# Altium PCB V1_PCB-main.PcbDoc (part 5 of 7)
Units mm, origin at the board's own origin, x right, y up, seen from the top; angles counter-clockwise.
Board outline 178 x 75 mm, 4 copper layers (Top Layer, Inner layer 1, Inner layer 2, Bottom Layer), stack 1.596 mm thick; 451 components, 230 nets, 1388 pads, 724 vias.
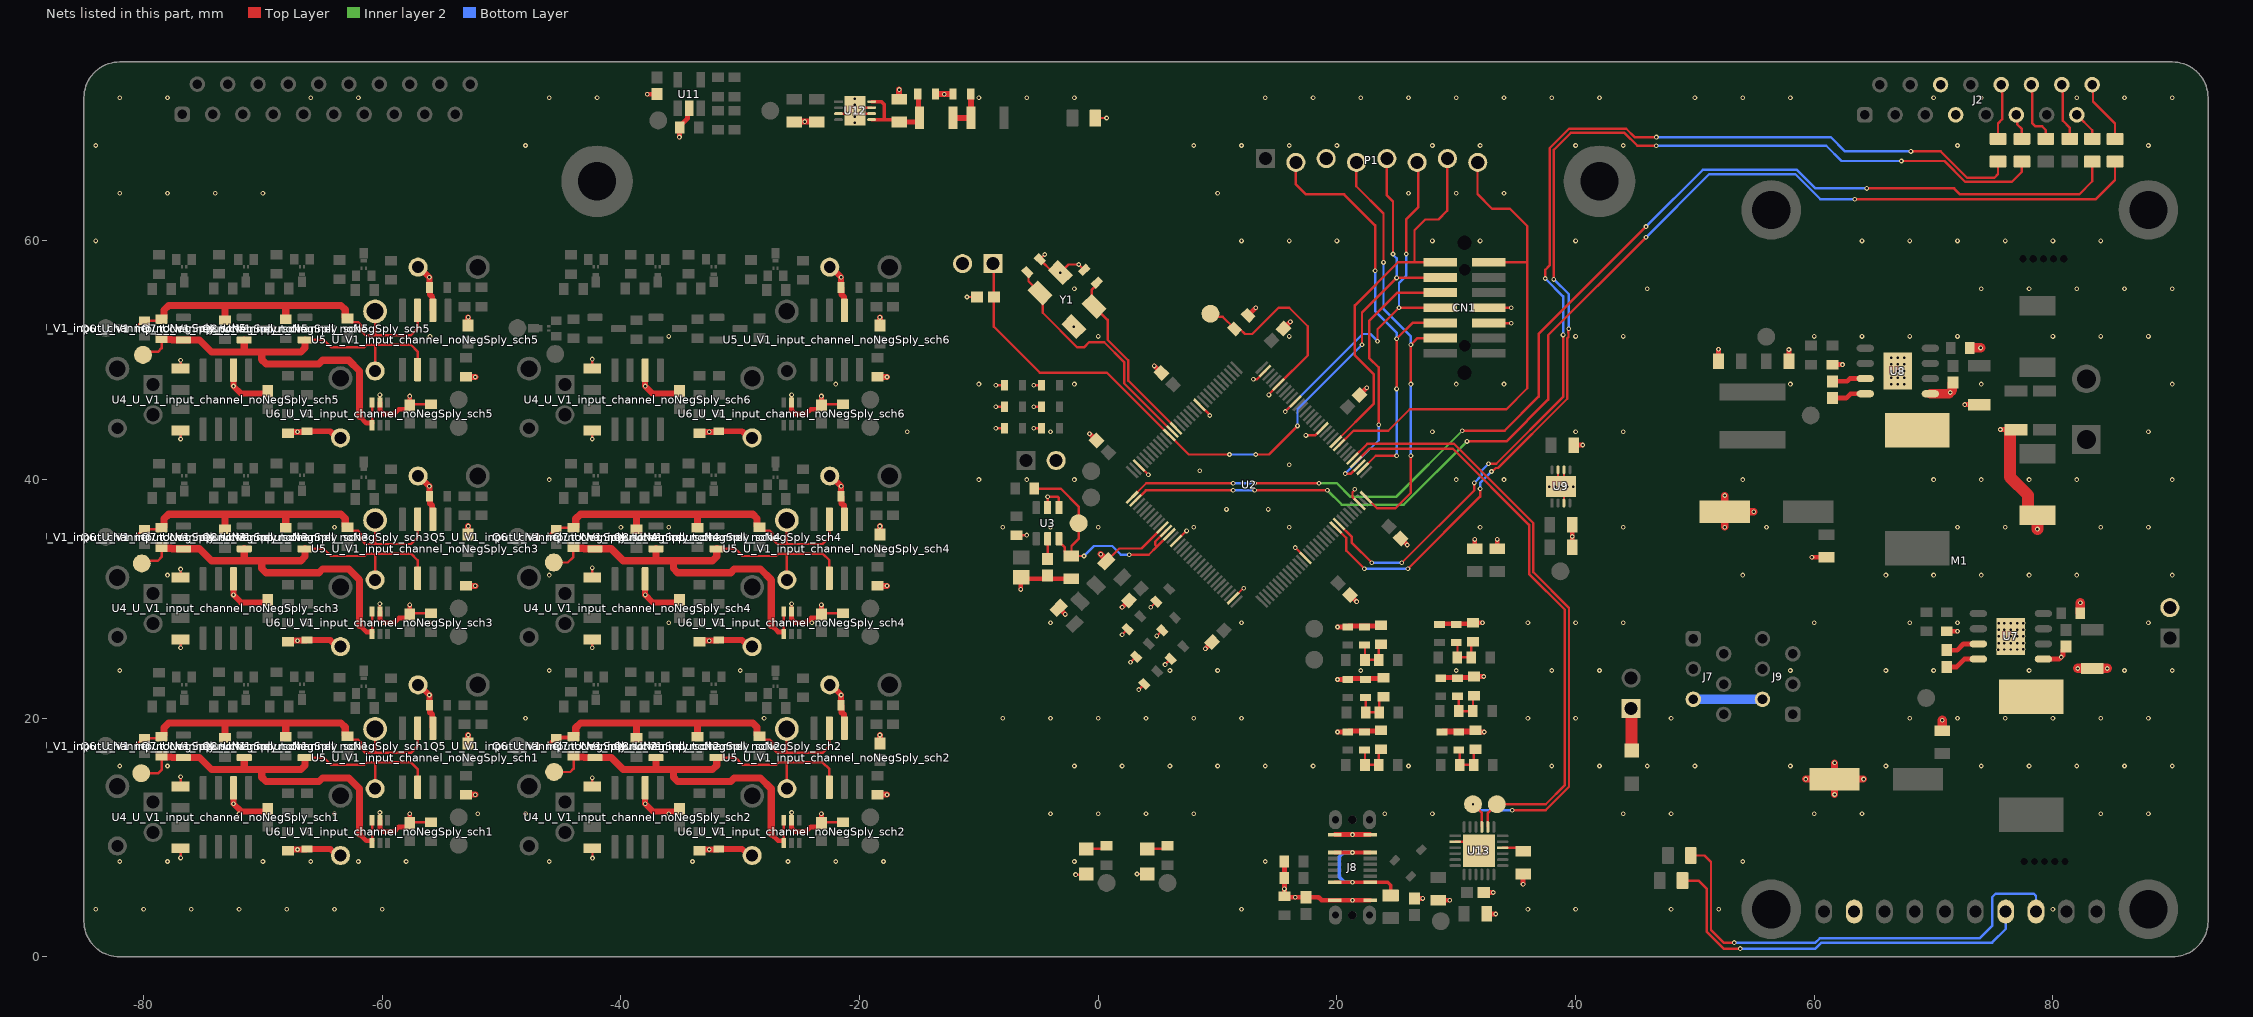
[diagram p7: the nets of this part, all layers, seen from the top]

## Via types
v1: diameter 0.4, hole 0.2, Top Layer to Bottom Layer, tented both sides, 712 vias
v2: diameter 0.5, hole 0.2, Top Layer to Bottom Layer, tented both sides, 12 vias

## Nets (pads, with @x,y where several pads share a name; then routed paths per layer and width w, separated by ;. In a path a pad name is that pad's centre, name@x,y a point inside that pad or via, vN(x,y) a via of type N, cw(c..) or ccw(c..) an arc to the next point about the centre after c; other vN are vias at no path point) (continued)
GND: C2.2 C3.2 C4.2 C5.2 C6.2 C7.2 C8.2 C9.2 C10.2 C11.1 C12.1 C13.2 C14.1 C15.2 C16.1 C17.1 C18.2 C19.2 C20.2 C21.2 C22.2 C23.2 C24_U_V1_input_channel_noNegSply_sch1.1 C24_U_V1_input_channel_noNegSply_sch2.1 C24_U_V1_input_channel_noNegSply_sch3.1 C24_U_V1_input_channel_noNegSply_sch4.1 C24_U_V1_input_channel_noNegSply_sch5.1 C24_U_V1_input_channel_noNegSply_sch6.1 C25_U_V1_input_channel_noNegSply_sch1.2 C25_U_V1_input_channel_noNegSply_sch2.2 C25_U_V1_input_channel_noNegSply_sch3.2 C25_U_V1_input_channel_noNegSply_sch4.2 C25_U_V1_input_channel_noNegSply_sch5.2 C25_U_V1_input_channel_noNegSply_sch6.2 C26_U_V1_input_channel_noNegSply_sch1.1 C26_U_V1_input_channel_noNegSply_sch2.1 C26_U_V1_input_channel_noNegSply_sch3.1 C26_U_V1_input_channel_noNegSply_sch4.1 C26_U_V1_input_channel_noNegSply_sch5.1 C26_U_V1_input_channel_noNegSply_sch6.1 C27_U_V1_input_channel_noNegSply_sch1.2 C27_U_V1_input_channel_noNegSply_sch2.2 C27_U_V1_input_channel_noNegSply_sch3.2 C27_U_V1_input_channel_noNegSply_sch4.2 C27_U_V1_input_channel_noNegSply_sch5.2 C27_U_V1_input_channel_noNegSply_sch6.2 C28_U_V1_input_channel_noNegSply_sch1.2 C28_U_V1_input_channel_noNegSply_sch2.2 C28_U_V1_input_channel_noNegSply_sch3.2 C28_U_V1_input_channel_noNegSply_sch4.2 C28_U_V1_input_channel_noNegSply_sch5.2 C28_U_V1_input_channel_noNegSply_sch6.2 C29.2 C30.2 C32.2 C33.1 C34.2 C35.2 C37.1 C38.1 C39.2 C40.1 C41.1 C42.1 C43.1 C44.2 C45.2 C46.2 C47.2 C48.2 C49.2 C50.2 C51.1 C52.1 C53.1 C54.1 C55.1 C56.2 C57.1 C58.2 C59.1 C60.2 C61.1 C62.1 C63.1 C64.1 C65.1 C66.1 C67.1 C68.1 C69.1 C70.1 C71.1 C72.1 C73.1 C74.2 C75.2 C76.2 CN1.5 CN1.7 D1.1 D2.1 FB13.2 J2.6 J2.7 J4_U_V1_input_channel_noNegSply_sch1.NEG J4_U_V1_input_channel_noNegSply_sch2.NEG J4_U_V1_input_channel_noNegSply_sch3.NEG J4_U_V1_input_channel_noNegSply_sch4.NEG J4_U_V1_input_channel_noNegSply_sch5.NEG J4_U_V1_input_channel_noNegSply_sch6.NEG J6_U_V1_input_channel_noNegSply_sch1.NEG J6_U_V1_input_channel_noNegSply_sch2.NEG J6_U_V1_input_channel_noNegSply_sch3.NEG J6_U_V1_input_channel_noNegSply_sch4.NEG J6_U_V1_input_channel_noNegSply_sch5.NEG J6_U_V1_input_channel_noNegSply_sch6.NEG J7.5 J8.A1 J8.A12 J8.B1 J8.B12 J9.2 L2.2 M1.2 P1.3 P3.2 P4.2 P7.2 R1.2 R2.2 R3.2 R5.1 R8.2 R9_U_V1_input_channel_noNegSply_sch1.2 R9_U_V1_input_channel_noNegSply_sch2.2 R9_U_V1_input_channel_noNegSply_sch3.2 R9_U_V1_input_channel_noNegSply_sch4.2 R9_U_V1_input_channel_noNegSply_sch5.2 R9_U_V1_input_channel_noNegSply_sch6.2 R11_U_V1_input_channel_noNegSply_sch1.2 R11_U_V1_input_channel_noNegSply_sch2.2 R11_U_V1_input_channel_noNegSply_sch3.2 R11_U_V1_input_channel_noNegSply_sch4.2 R11_U_V1_input_channel_noNegSply_sch5.2 R11_U_V1_input_channel_noNegSply_sch6.2 R13_U_V1_input_channel_noNegSply_sch1.1 R13_U_V1_input_channel_noNegSply_sch2.1 R13_U_V1_input_channel_noNegSply_sch3.1 R13_U_V1_input_channel_noNegSply_sch4.1 R13_U_V1_input_channel_noNegSply_sch5.1 R13_U_V1_input_channel_noNegSply_sch6.1 R18_U_V1_input_channel_noNegSply_sch1.2 R18_U_V1_input_channel_noNegSply_sch2.2 R18_U_V1_input_channel_noNegSply_sch3.2 R18_U_V1_input_channel_noNegSply_sch4.2 R18_U_V1_input_channel_noNegSply_sch5.2 R18_U_V1_input_channel_noNegSply_sch6.2 R27_U_V1_input_channel_noNegSply_sch1.1 R27_U_V1_input_channel_noNegSply_sch2.1 R27_U_V1_input_channel_noNegSply_sch3.1 R27_U_V1_input_channel_noNegSply_sch4.1 R27_U_V1_input_channel_noNegSply_sch5.1 R27_U_V1_input_channel_noNegSply_sch6.1 R31.1 R33.1 R34.1 R36.1 R41.1 R42.2 R43.2 R44.1 R57.2 R58.2 R59.2 U2.12 U2.30 U2.42 U2.46 U2.63 U2.78 U2.94 U2.110 U2.127 U3.1 U3.2 U4_U_V1_input_channel_noNegSply_sch1.2 U4_U_V1_input_channel_noNegSply_sch2.2 U4_U_V1_input_channel_noNegSply_sch3.2 U4_U_V1_input_channel_noNegSply_sch4.2 U4_U_V1_input_channel_noNegSply_sch5.2 U4_U_V1_input_channel_noNegSply_sch6.2 U5_U_V1_input_channel_noNegSply_sch1.2 U5_U_V1_input_channel_noNegSply_sch2.2 U5_U_V1_input_channel_noNegSply_sch3.2 U5_U_V1_input_channel_noNegSply_sch4.2 U5_U_V1_input_channel_noNegSply_sch5.2 U5_U_V1_input_channel_noNegSply_sch6.2 U6_U_V1_input_channel_noNegSply_sch1.2 U6_U_V1_input_channel_noNegSply_sch2.2 U6_U_V1_input_channel_noNegSply_sch3.2 U6_U_V1_input_channel_noNegSply_sch4.2 U6_U_V1_input_channel_noNegSply_sch5.2 U6_U_V1_input_channel_noNegSply_sch6.2 U7.1 U7.9 U8.1 U8.9 U9.3 U9.6 U9.7 U9.9 U11.2 U12.3 U12.6 U12.7 U12.9 U13.2 U13.25 Y1.2 Y1.4 | length 308.7
  Top Layer w0.2: v1(-76.9,8.3) R13_U_V1_input_channel_noNegSply_sch1.1@-76.9,9.2 ; R11_U_V1_input_channel_noNegSply_sch1.2@-76.9,14.2 v1(-76.9,15.1) ; v1(-76.9,25.9) R13_U_V1_input_channel_noNegSply_sch3.1@-76.9,26.7 ; R11_U_V1_input_channel_noNegSply_sch3.2@-76.9,31.7 v1(-76.9,32.5) ; v1(-76.9,43.4) R13_U_V1_input_channel_noNegSply_sch5.1@-76.9,44.2 ; R11_U_V1_input_channel_noNegSply_sch5.2@-76.9,49.2 v1(-76.9,50) ; U6_U_V1_input_channel_noNegSply_sch1.2@-60.2,11.45 v1(-60.2,12.1) ; U6_U_V1_input_channel_noNegSply_sch3.2@-60.2,28.95 v1(-60.2,29.6) ; U6_U_V1_input_channel_noNegSply_sch5.2@-60.2,46.45 v1(-60.2,47.1) ; C28_U_V1_input_channel_noNegSply_sch1.2@-57.7,11.202 -57.602,11.3 R27_U_V1_input_channel_noNegSply_sch1.1@-55.9,11.3 ; C28_U_V1_input_channel_noNegSply_sch3.2@-57.7,28.702 -57.602,28.8 R27_U_V1_input_channel_noNegSply_sch3.1@-55.9,28.8 ; C28_U_V1_input_channel_noNegSply_sch5.2@-57.7,46.202 -57.602,46.3 R27_U_V1_input_channel_noNegSply_sch5.1@-55.9,46.3 ; R11_U_V1_input_channel_noNegSply_sch2.2@-42.4,14.2 v1(-42.4,15) ; v1(-42.4,25.9) R13_U_V1_input_channel_noNegSply_sch4.1@-42.4,26.7 ; R11_U_V1_input_channel_noNegSply_sch4.2@-42.4,31.7 v1(-42.4,32.6) ; v1(-42.4,43.4) R13_U_V1_input_channel_noNegSply_sch6.1@-42.4,44.2 ; R11_U_V1_input_channel_noNegSply_sch6.2@-42.4,49.2 v1(-42.4,50.1) ; R13_U_V1_input_channel_noNegSply_sch2.1@-42.4,9.2 -42.384,9.184 v1(-42.384,8.284) ; U6_U_V1_input_channel_noNegSply_sch2.2@-25.7,11.45 v1(-25.7,12.1) ; U6_U_V1_input_channel_noNegSply_sch4.2@-25.7,28.95 v1(-25.7,29.6) ; U6_U_V1_input_channel_noNegSply_sch6.2@-25.7,46.45 v1(-25.7,47.1) ; C28_U_V1_input_channel_noNegSply_sch2.2@-23.2,11.202 -23.102,11.3 R27_U_V1_input_channel_noNegSply_sch2.1@-21.4,11.3 ; C28_U_V1_input_channel_noNegSply_sch4.2@-23.2,28.702 -23.102,28.8 R27_U_V1_input_channel_noNegSply_sch4.1@-21.4,28.8 ; C28_U_V1_input_channel_noNegSply_sch6.2@-23.2,46.202 -23.102,46.3 R27_U_V1_input_channel_noNegSply_sch6.1@-21.4,46.3 ; U12.3@-21.77,70.666 -20.632,70.666 v1(-20.382,70.916) ; U12.6@-18.994,70.666 -20.132,70.666 v1(-20.382,70.916) ; U12.7@-18.994,71.166 -20.132,71.166 v1(-20.382,70.916) ; v1(-11,55.3) C21.2@-10.152,55.3 ; v1(-8.575,44.3) C76.2@-7.85,44.3 ; v1(-8.575,46.1) C44.2@-7.85,46.1 ; v1(-8.575,47.9) C46.2@-7.85,47.9 ; R8.2@-6.846,35.346 v1(-5.996,35.346) ; v1(-5.4,44.3) C48.2@-4.75,44.3 ; v1(-5.4,46.1) C74.2@-4.75,46.1 ; v1(-5.4,47.9) C19.2@-4.75,47.9 ; v1(-4.481,58.86) C22.2@-4.887,58.453 -3.774,57.34 v1(-3.173,57.34) -2.483,58.029 v1(-1.635,58.029) C20.2@-1.175,57.569 ; U3.2@-4.246,37.646 v1(-4.246,38.571) -3.414,38.571 -3.296,38.454 U3.1@-3.296,37.646 ; v1(-1.9,6.9) -1.05,6.9 D2.1@-1,6.95 ; FB13.2@-0.25,70.3 v1(0.7,70.3) ; C17.1@0.68,33.152 1.753,34.225 3.628,34.225 U2.42@5.385,35.982 ; v1(2,27) C45.2@2.47,27.47 ; v1(2.7,24.7) C23.2@3.17,25.17 ; v1(3.25,6.95) D1.1@4.1,6.95 ; v1(3.4,22.4) C75.2@3.87,22.87 ; U2.30@3.411,41.196 3.411,41.192 4.2,40.403 v1(4.2,40.4) ; v1(4.4,29.3) C18.2@4.87,29.77 ; v1(4.9,26.9) C49.2@5.37,27.37 ; v1(5.6,24.5) C47.2@6.07,24.97 ; U2.46@6.513,34.854 6.533,34.854 7.379,35.7 v1(7.4,35.7) ; U2.12@8.487,46.271 9.351,45.407 v1(9.351,45.371) ; U2.63@11.306,30.06 12.146,30.9 v1(12.2,30.9) ; v1(13,48.4) 13.003,48.403 13.294,48.403 U2.127@13.982,49.091 ; v1(16.5,34.3) 16.505,34.3 17.361,33.444 U2.78@17.366,33.444 ; v1(17.4,43.7) 18.158,43.7 18.756,44.297 U2.110@18.776,44.297 ; v1(21.5,39.2) 21.5,39.146 21.3,38.946 21.3,38.554 21.878,37.976 U2.94@21.878,37.956 ; U13.2@29.91,9.65 31.15,9.65 v1(31.9,8.9) ; CN1.5@32.732,53.13 32.762,53.1 v1(34.6,53.1) ; CN1.7@32.732,54.4 v1(34.6,54.4) ; U9.7@38.525,40.813 38.525,39.675 v1(38.775,39.425) ; U9.3@39.025,38.037 39.025,39.175 v1(38.775,39.425) ; U9.6@39.025,40.813 39.025,39.675 v1(38.775,39.425)
  Top Layer w0.4: U6_U_V1_input_channel_noNegSply_sch1.2@-60.2,11.45 -60.2,10.8 -59.9,10.5 -59,10.5 -58.603,10.897 -57.956,10.897 -57.7,11.153 C28_U_V1_input_channel_noNegSply_sch1.2@-57.7,11.202 v1(-57.7,12) ; U6_U_V1_input_channel_noNegSply_sch3.2@-60.2,28.95 -60.2,28.3 -59.9,28 -59,28 -58.603,28.397 -57.956,28.397 -57.7,28.653 C28_U_V1_input_channel_noNegSply_sch3.2@-57.7,28.702 v1(-57.7,29.5) ; U6_U_V1_input_channel_noNegSply_sch5.2@-60.2,46.45 -60.2,45.8 -59.9,45.5 -59,45.5 -58.603,45.897 -57.956,45.897 -57.7,46.153 C28_U_V1_input_channel_noNegSply_sch5.2@-57.7,46.202 v1(-57.7,47) ; v1(-37.8,72.3) -37.798,72.298 C50.2@-36.975,72.298 ; v1(-35.1,68.7) -35.1,69.475 R41.1@-35.075,69.5 -35.075,69.6 -34.425,70.25 -34.425,70.95 U11.2@-34.275,71.1 ; U6_U_V1_input_channel_noNegSply_sch2.2@-25.7,11.45 -25.7,10.8 -25.4,10.5 -24.5,10.5 -24.103,10.897 -23.456,10.897 -23.2,11.153 C28_U_V1_input_channel_noNegSply_sch2.2@-23.2,11.202 v1(-23.2,12) ; U6_U_V1_input_channel_noNegSply_sch4.2@-25.7,28.95 -25.7,28.3 -25.4,28 -24.5,28 -24.103,28.397 -23.456,28.397 -23.2,28.653 C28_U_V1_input_channel_noNegSply_sch4.2@-23.2,28.702 v1(-23.2,29.5) ; U6_U_V1_input_channel_noNegSply_sch6.2@-25.7,46.45 -25.7,45.8 -25.4,45.5 -24.5,45.5 -24.103,45.897 -23.456,45.897 -23.2,46.153 C28_U_V1_input_channel_noNegSply_sch6.2@-23.2,46.202 v1(-23.2,47) ; v1(-6.5,30.8) -6.5,31.767 C13.2@-6.446,31.82 -6.323,31.696 C14.1@-2.246,31.696 ; C16.1@-3.325,29.247 -3.322,29.247 v1(-2.775,28.7) ; v1(-0.73,43.85) C7.2@-0.152,43.272 ; v1(2,29.3) C4.2@2.579,29.879 ; v1(4.7,49.525) C5.2@5.279,48.946 ; v1(8.975,25.825) 9.53,26.38 C10.2@9.548,26.38 ; R5.1@12.566,53.766 v1(13.2,54.4) ; C8.2@15.521,52.646 v1(16.1,53.225) ; v1@15.6,5.8 v1(15.6,5.7) ; R43.2@15.6,6.6 R42.2@15.6,8 v1(15.6,5.7) ; J8.B12@19.815,10.25 v1(21.3,10.25) J8.A1@22.785,10.25 ; v1(20.05,18.85) C71.1@20.9,18.85 20.975,18.925 23.625,18.925 R58.2@23.7,19 ; v1(20.05,23.25) C67.1@20.9,23.25 20.975,23.325 23.825,23.325 R3.2@23.9,23.4 ; v1(20.05,27.65) C63.1@20.9,27.65 20.975,27.725 23.625,27.725 R1.2@23.7,27.8 ; C6.2@21.096,30.329 v1(21.65,29.775) ; C3.2@21.896,47.096 v1(22.5,47.7) ; J8.A12@22.785,4.75 v1(21.3,4.75) 18.708,4.75 18.456,5.002 C60.2@17.4,5.002 v1(16.502,5.002) 15.698,5.002 R44.1@15.6,5.1 v1(15.6,5.7) ; C9.2@25.341,35.08 v1(25.9,34.52) ; C56.2@26.5,4.902 v1(27.198,4.902) ; C57.1@28.5,4.75 v1(29.45,4.75) ; C65.1@28.6,27.85 28.675,27.925 31.325,27.925 R2.2@31.4,28 v1(32.2,28) ; C69.1@28.7,23.35 28.775,23.425 31.425,23.425 R57.2@31.5,23.5 v1(32.3,23.5) ; C11.1@31.556,34.203 v1(31.556,34.985) ; R59.2@31.6,19 31.525,18.925 28.875,18.925 C73.1@28.8,18.85 C72.1@30.2,18.85 v1(32.35,18.85) ; C58.2@32.302,5.4 v1(33.1,5.4) ; C59.1@32.55,3.6 v1(33.3,3.6) ; C12.1@33.43,34.203 v1(33.43,34.985) ; v1(35.6,6.1) C61.1@35.6,6.95 ; C42.1@39.725,34.325 v1(39.725,35.229) C43.1@39.725,36.225 ; C41.1@39.841,42.895 v1(40.591,42.895) ; C38.1@51.975,49.935 v1(51.975,50.925) ; C37.1@57.875,49.935 v1(57.875,50.9) ; v1(59.8,33.5) 59.815,33.485 C40.1@61.025,33.485 ; R36.1@61.525,49.635 v1(62.365,49.635) ; R33.1@71.1,27.3 v1(72,27.3) ; v1(72.616,46.284) C34.2@73.825,46.284 ; v1(75.6,44.2) 76.374,44.2 C2.2@76.411,44.163 ; C2.2@76.423,44.174 C2.2@76.8,44.174 ; U7.1@79.2,24.96 80.535,24.96 80.844,25.269 80.844,25.742 C30.2@81.1,25.998
  Top Layer w0.5: U4_U_V1_input_channel_noNegSply_sch1.2@-72.465,14.175 v1(-72.465,12.835) -71.83,12.2 -69.802,12.2 C25_U_V1_input_channel_noNegSply_sch1.2@-69.6,12.402 ; U4_U_V1_input_channel_noNegSply_sch3.2@-72.465,31.675 v1(-72.465,30.335) -71.83,29.7 -69.802,29.7 C25_U_V1_input_channel_noNegSply_sch3.2@-69.6,29.902 ; U4_U_V1_input_channel_noNegSply_sch5.2@-72.465,49.175 v1(-72.465,47.835) -71.83,47.2 -69.802,47.2 C25_U_V1_input_channel_noNegSply_sch5.2@-69.6,47.402 ; R9_U_V1_input_channel_noNegSply_sch1.2@-67.9,8.9 -67.8,9 v1(-67.1,9) -66.35,9 C24_U_V1_input_channel_noNegSply_sch1.1@-66.3,9.05 -64.348,9.05 -63.798,8.5 J4_U_V1_input_channel_noNegSply_sch1.NEG@-63.5,8.5 ; R9_U_V1_input_channel_noNegSply_sch3.2@-67.9,26.4 -67.8,26.5 v1(-67.1,26.5) -66.35,26.5 C24_U_V1_input_channel_noNegSply_sch3.1@-66.3,26.55 -64.348,26.55 -63.798,26 J4_U_V1_input_channel_noNegSply_sch3.NEG@-63.5,26 ; R9_U_V1_input_channel_noNegSply_sch5.2@-67.9,43.9 -67.8,44 v1(-67.1,44) -66.35,44 C24_U_V1_input_channel_noNegSply_sch5.1@-66.3,44.05 -64.348,44.05 -63.798,43.5 J4_U_V1_input_channel_noNegSply_sch5.NEG@-63.5,43.5 ; J6_U_V1_input_channel_noNegSply_sch1.NEG@-57,22.8 -56.9,22.8 v1(-56.05,21.95) C26_U_V1_input_channel_noNegSply_sch1.1@-56.05,21.1 -56,21.05 -56,20.5 -55.81,20.31 -55.81,19.22 U5_U_V1_input_channel_noNegSply_sch1.2@-55.765,19.175 ; J6_U_V1_input_channel_noNegSply_sch3.NEG@-57,40.3 -56.9,40.3 v1(-56.05,39.45) C26_U_V1_input_channel_noNegSply_sch3.1@-56.05,38.6 -56,38.55 -56,38 -55.81,37.81 -55.81,36.72 U5_U_V1_input_channel_noNegSply_sch3.2@-55.765,36.675 ; J6_U_V1_input_channel_noNegSply_sch5.NEG@-57,57.8 -56.9,57.8 v1(-56.05,56.95) C26_U_V1_input_channel_noNegSply_sch5.1@-56.05,56.1 -56,56.05 -56,55.5 -55.81,55.31 -55.81,54.22 U5_U_V1_input_channel_noNegSply_sch5.2@-55.765,54.175 ; R18_U_V1_input_channel_noNegSply_sch1.2@-53,13.6 v1(-52.2,13.6) ; R18_U_V1_input_channel_noNegSply_sch3.2@-53,31.1 v1(-52.2,31.1) ; R18_U_V1_input_channel_noNegSply_sch5.2@-53,48.6 v1(-52.2,48.6) ; C27_U_V1_input_channel_noNegSply_sch1.2@-52.8,17.902 v1(-52.8,18.6) ; C27_U_V1_input_channel_noNegSply_sch3.2@-52.8,35.402 v1(-52.8,36.1) ; C27_U_V1_input_channel_noNegSply_sch5.2@-52.8,52.902 v1(-52.8,53.6) ; U4_U_V1_input_channel_noNegSply_sch2.2@-37.965,14.175 v1(-37.965,12.835) -37.33,12.2 -35.302,12.2 C25_U_V1_input_channel_noNegSply_sch2.2@-35.1,12.402 ; U4_U_V1_input_channel_noNegSply_sch4.2@-37.965,31.675 v1(-37.965,30.335) -37.33,29.7 -35.302,29.7 C25_U_V1_input_channel_noNegSply_sch4.2@-35.1,29.902 ; U4_U_V1_input_channel_noNegSply_sch6.2@-37.965,49.175 v1(-37.965,47.835) -37.33,47.2 -35.302,47.2 C25_U_V1_input_channel_noNegSply_sch6.2@-35.1,47.402 ; R9_U_V1_input_channel_noNegSply_sch2.2@-33.4,8.9 -33.3,9 v1(-32.6,9) -31.85,9 C24_U_V1_input_channel_noNegSply_sch2.1@-31.8,9.05 -29.848,9.05 -29.298,8.5 J4_U_V1_input_channel_noNegSply_sch2.NEG@-29,8.5 ; R9_U_V1_input_channel_noNegSply_sch4.2@-33.4,26.4 -33.3,26.5 v1(-32.6,26.5) -31.85,26.5 C24_U_V1_input_channel_noNegSply_sch4.1@-31.8,26.55 -29.848,26.55 -29.298,26 J4_U_V1_input_channel_noNegSply_sch4.NEG@-29,26 ; R9_U_V1_input_channel_noNegSply_sch6.2@-33.4,43.9 -33.3,44 v1(-32.6,44) -31.85,44 C24_U_V1_input_channel_noNegSply_sch6.1@-31.8,44.05 -29.848,44.05 -29.298,43.5 J4_U_V1_input_channel_noNegSply_sch6.NEG@-29,43.5 ; C53.1@-25.482,69.966 -25.447,70 -23.616,70 C52.1@-23.582,69.966 ; J6_U_V1_input_channel_noNegSply_sch2.NEG@-22.5,22.8 -22.4,22.8 v1(-21.55,21.95) C26_U_V1_input_channel_noNegSply_sch2.1@-21.55,21.1 -21.5,21.05 -21.5,20.5 -21.31,20.31 -21.31,19.22 U5_U_V1_input_channel_noNegSply_sch2.2@-21.265,19.175 ; J6_U_V1_input_channel_noNegSply_sch4.NEG@-22.5,40.3 -22.4,40.3 v1(-21.55,39.45) C26_U_V1_input_channel_noNegSply_sch4.1@-21.55,38.6 -21.5,38.55 -21.5,38 -21.31,37.81 -21.31,36.72 U5_U_V1_input_channel_noNegSply_sch4.2@-21.265,36.675 ; J6_U_V1_input_channel_noNegSply_sch6.NEG@-22.5,57.8 -22.4,57.8 v1(-21.55,56.95) C26_U_V1_input_channel_noNegSply_sch6.1@-21.55,56.1 -21.5,56.05 -21.5,55.5 -21.31,55.31 -21.31,54.22 U5_U_V1_input_channel_noNegSply_sch6.2@-21.265,54.175 ; R18_U_V1_input_channel_noNegSply_sch2.2@-18.5,13.6 v1(-17.7,13.6) ; R18_U_V1_input_channel_noNegSply_sch4.2@-18.5,31.1 v1(-17.7,31.1) ; R18_U_V1_input_channel_noNegSply_sch6.2@-18.5,48.6 v1(-17.7,48.6) ; C27_U_V1_input_channel_noNegSply_sch2.2@-18.3,17.902 v1(-18.3,18.6) ; C27_U_V1_input_channel_noNegSply_sch4.2@-18.3,35.402 v1(-18.3,36.1) ; C27_U_V1_input_channel_noNegSply_sch6.2@-18.3,52.902 v1(-18.3,53.6) ; C51.1@-16.682,71.866 v1(-16.682,72.682) ; C55.1@-13.632,72.316 -13.616,72.3 -12.197,72.3 C54.1@-12.182,72.316 ; v1(0.2,33.75) 0.68,33.27 C17.1@0.68,33.152
  Top Layer w0.6: v1(52.5,36.015) C39.2@52.5,37.3 ; v1(52.5,38.665) C39.2@52.5,37.3 ; v1(54.935,37.3) C39.2@52.5,37.3 ; v1(59.285,14.9) C32.2@61.7,14.9 ; v1(61.7,13.615) C32.2@61.7,14.9 ; v1(61.7,16.265) C32.2@61.7,14.9 ; v1(64.135,14.9) C32.2@61.7,14.9
  Top Layer w0.8: U8.1@69.725,47.195 71.295,47.195 71.569,47.469 71.569,48.076 C35.2@71.625,48.132 ; C33.1@70.725,18.95 v1(70.725,19.825) ; R34.1@73.025,51.035 v1(73.935,51.035) ; v1(82.076,24.174) C29.2@83.3,24.174 v1(84.549,24.174) ; R31.1@82.3,28.8 v1(82.3,29.675)
  Top Layer w1: C2.2@76.423,44.174 76.4,44.152 76.4,40.2 77.914,38.686 77.914,37.35 78.239,37.025 L2.2@78.7,37.025 v1(78.7,35.85)
  Bottom Layer w0.8: J7.5@49.86,21.59 J9.2@55.66,21.59
  other v1: -84,4 -80,4 -76,4 -72,4 -68,4 -64,4 -60,4 12,4 36,4 40,4 48,4 52,4 80,4 -82,8 -78,8 -70,8 -66,8 -62,8 -58,8 -46,8 -34,8 -26,8 -22,8 -18,8 -2,8 14,8 54,8 -72,12 -64,12 -52,12 -48,12 -36,12 -4,12 0,12 4,12 8,12 24,12 28,12 44,12 48,12 60,12 64,12 84,12 88,12 -82,16 -78,16 -2,16 2,16 6,16 10,16 14,16 18,16 26,16 38,16 42,16 46,16 50,16 58,16 66,16 74,16 78,16 82,16 86,16 90,16 -48,20 -28,20 -8,20 -4,20 0,20 4,20 8,20 12,20 36,20 40,20 48,20 68,20 72,20 76,20 80,20 84,20 88,20 -82,24 -46,24 -30,24 6,24 10,24 22,24 30,24 38,24 42,24 58,24 66,24 70,24 78,24 86,24 90,24 80.7,25.125 75.425,25.75 76.475,25.765 77.5,25.775 75.45,26.275 75.925,26.29 76.475,26.29 77.025,26.29 77.5,26.3 75.45,26.875 76.475,26.865 77.5,26.875 75.925,27.415 76.475,27.415 77.025,27.415 75.45,27.425 77.5,27.425 75.45,27.95 76.475,27.965 77.5,27.975 -60,28 -56,28 -36,28 -24,28 -20,28 -4,28 12,28 36,28 40,28 44,28 60,28 68,28 72,28 88,28 -78,32 -46,32 54,32 66,32 70,32 74,32 78,32 82,32 90,32 -64,36 -40,36 -36,36 -8,36 -4,36 0,36 8,36 16,36 32,36 44,36 56,36 72,36 76,36 84,36 88,36 10.75,37.5 14.25,37.5 37.791,39.395 38.291,39.395 39.291,39.395 39.791,39.395 -46,40 -10,40 -6,40 -2,40 30,40 34,40 54,40 70,40 74,40 78,40 82,40 90,40 8.5,40.75 16,41.25 -16,44 -4,44 28,44 40,44 44,44 88,44 71.4,47.3 -22,48 -10,48 -2,48 30,48 34,48 58,48 67,48 74,48 90,48 66.45,48.525 67,48.525 67.55,48.525 67,49.1 66.45,49.65 67,49.65 67.55,49.65 67,50.2 -56,52 -36,52 0,52 16,52 40,52 44,52 60,52 64,52 68,52 72,52 80,52 84,52 88,52 -2.041,52.814 -2,56 46,56 74,56 78,56 82,56 86,56 90,56 -84,60 12,60 16,60 20,60 28,60 32,60 40,60 64,60 68,60 72,60 76,60 80,60 84,60 -82,64 -78,64 -74,64 -70,64 10,64 26,64 30,64 34,64 -84,68 -48,68 8,68 12,68 16,68 20,68 28,68 32,68 40,68 44,68 72,68 88,68 -20.4,69.9 -24.6,70 -20.4,70.4 -20.4,71.4 -20.4,71.9 -82,72 -78,72 -66,72 -62,72 -46,72 -42,72 -10,72 -6,72 -2,72 14,72 18,72 22,72 26,72 30,72 34,72 38,72 42,72 50,72 54,72 58,72 70,72 74,72 82,72 86,72 90,72 -12.9,72.3
  other v2: 75.925,25.765 77.025,25.765 75.925,26.865 77.025,26.865 75.925,27.965 77.025,27.965 66.45,48 67.55,48 66.45,49.1 67.55,49.1 66.45,50.2 67.55,50.2
LEDDRV-DAC-CTRL-1: FB9.2 U2.33 | length 98.8
  Top Layer w0.2: U2.33@2.847,38.52 4.027,39.7 v1(11.3,39.7) ; v1(13.1,39.7) v1(18.5,39.7) ; v1(30.5,44.1) 34.05,44.1 36.9,46.95 36.9,52.2 v1(45.9,61.2) ; v1(64.4,64.4) 71.72,64.4 72.22,63.9 82.2,63.9 83.3,65 FB9.2@83.3,66.65
  Inner layer 2 w0.2: v1(18.5,39.7) 20,39.7 21.15,38.55 24.95,38.55 v1(30.5,44.1)
  Bottom Layer w0.2: v1(11.3,39.7) v1(13.1,39.7) ; v1(45.9,61.2) 50.65,65.95 58.545,65.95 60.095,64.4 v1(64.4,64.4)
LEDDRV-DAC-CTRL-2: FB10.1 U2.34 | length 100.6
  Top Layer w0.2: U2.34@3.129,38.238 3.991,39.1 v1(11.3,39.1) ; v1(13.1,39.1) v1(19.2,39.1) ; v1(30.9,43.2) 34.2,43.2 37.7,46.7 37.7,52.1 v1(45.9,60.3) ; v1(63.4,63.5) 83.6,63.5 85.2,65.1 FB10.1@85.2,66.65